# Altium PCB c_20.PcbDoc
Units mil, origin at the board's own origin, x right, y up, seen from the top; angles counter-clockwise.
Board outline 4910 x 2755 mil, 2 copper layers (Top Layer, Bottom Layer); 61 components, 59 nets, 218 pads, 14 vias.
Unrouted connection lines stored in the file: 1.
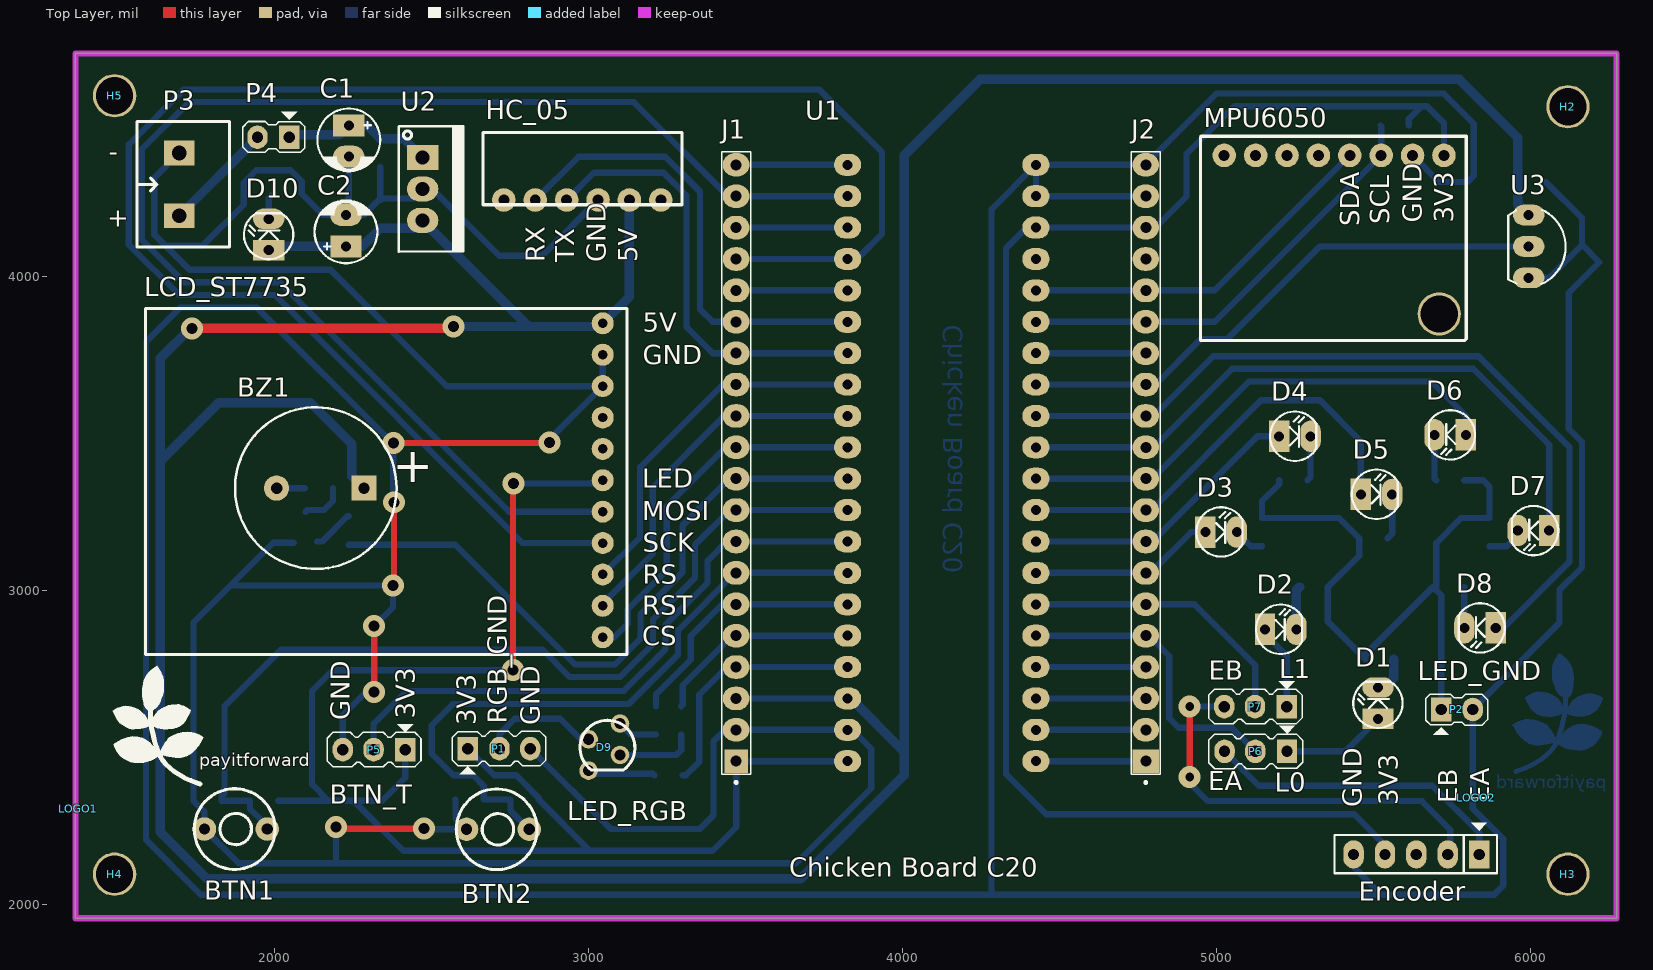
[diagram p0: Top Layer view]
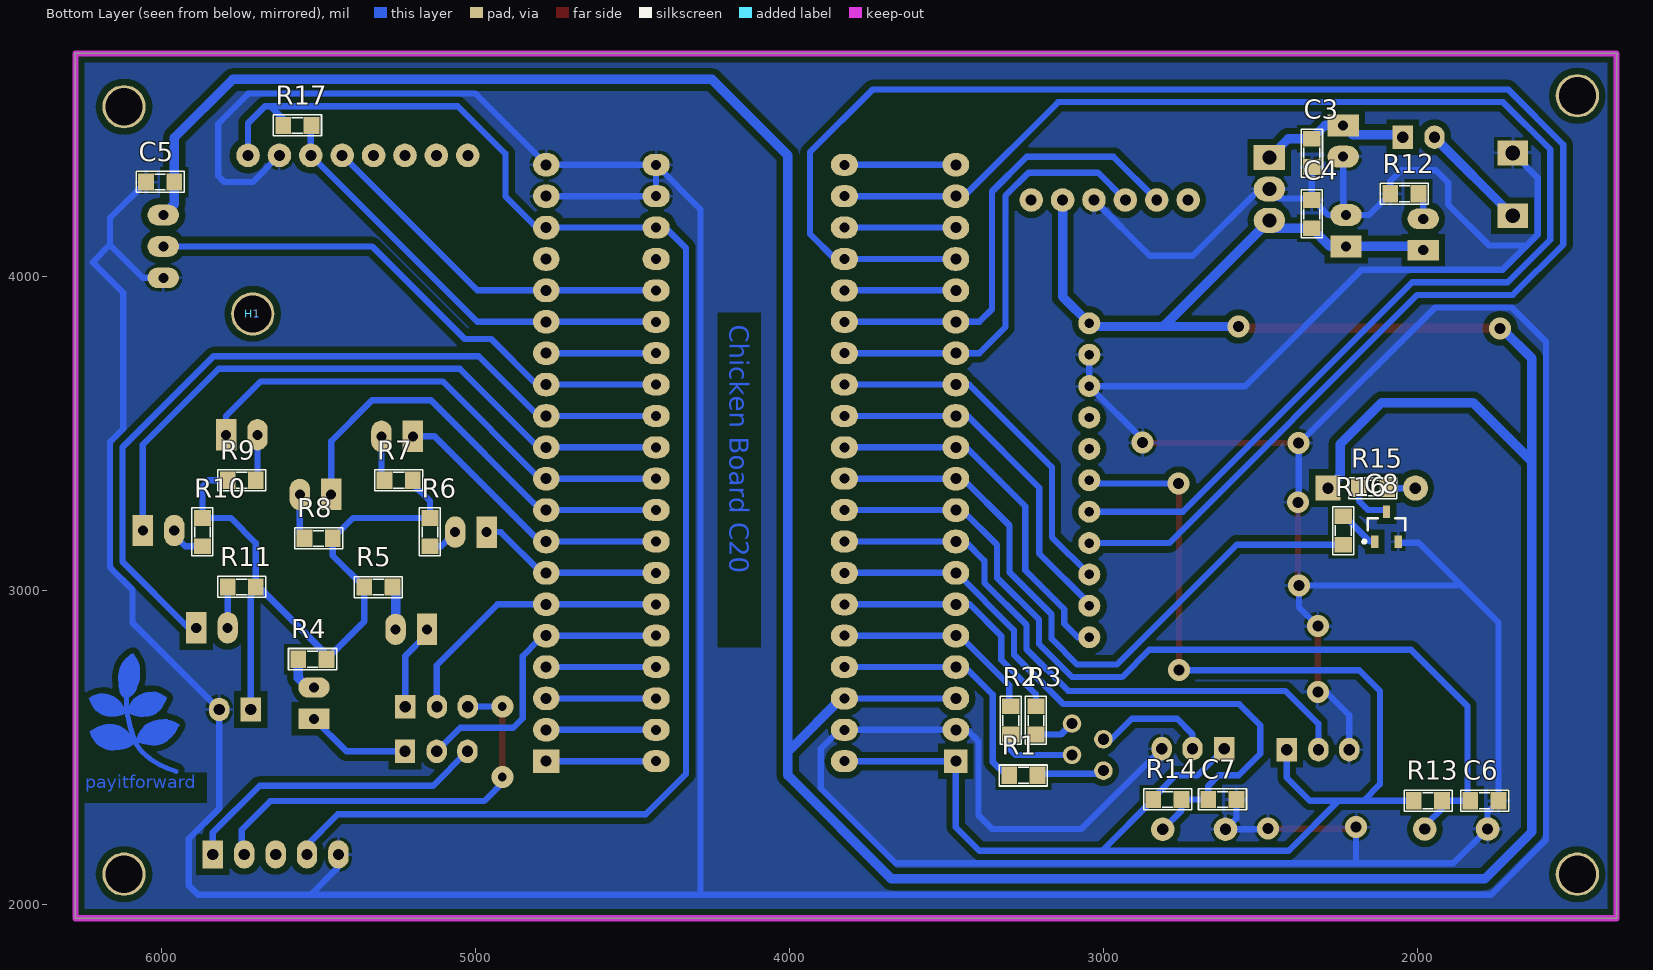
[diagram p1: Bottom Layer view, seen from below]
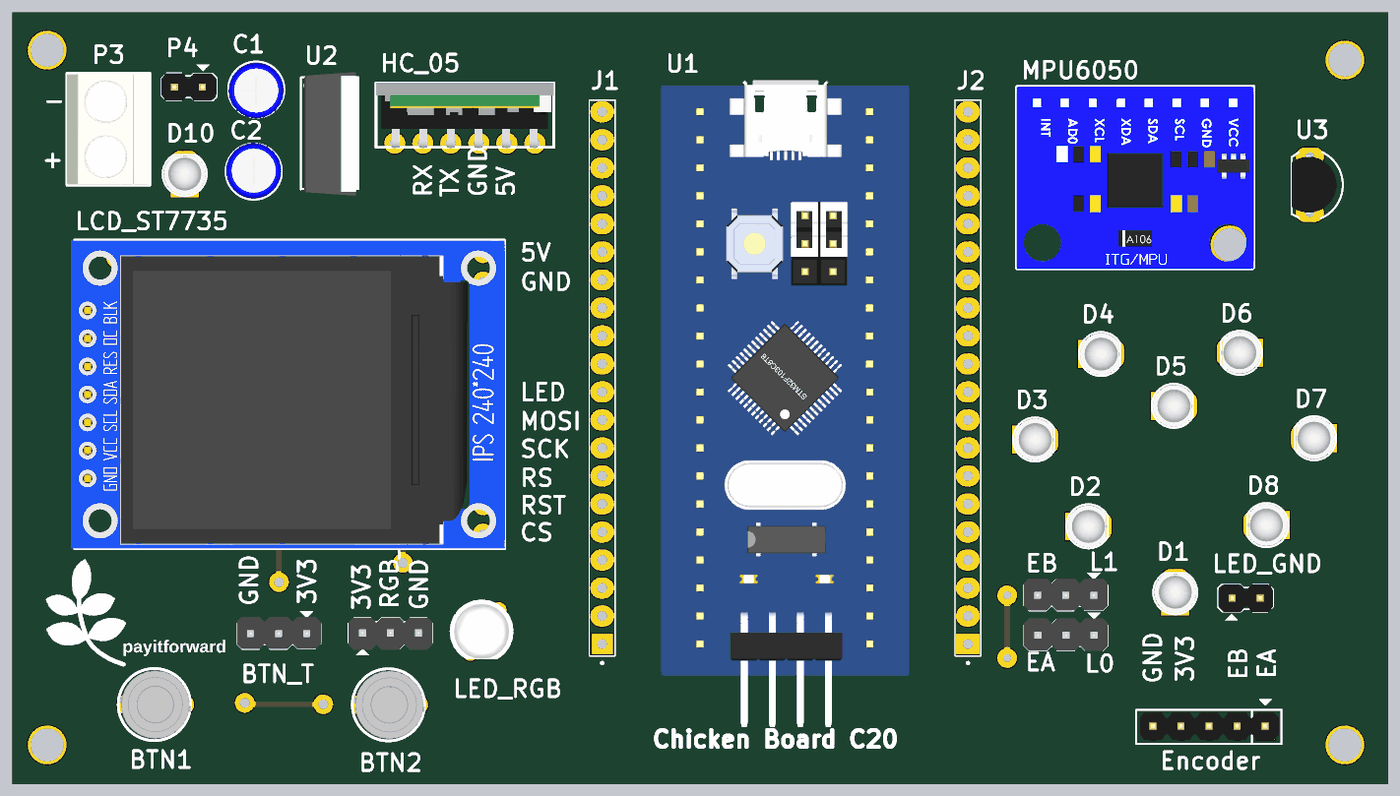
[diagram p2: 3D render of the assembled board from above, using the file's embedded part models]
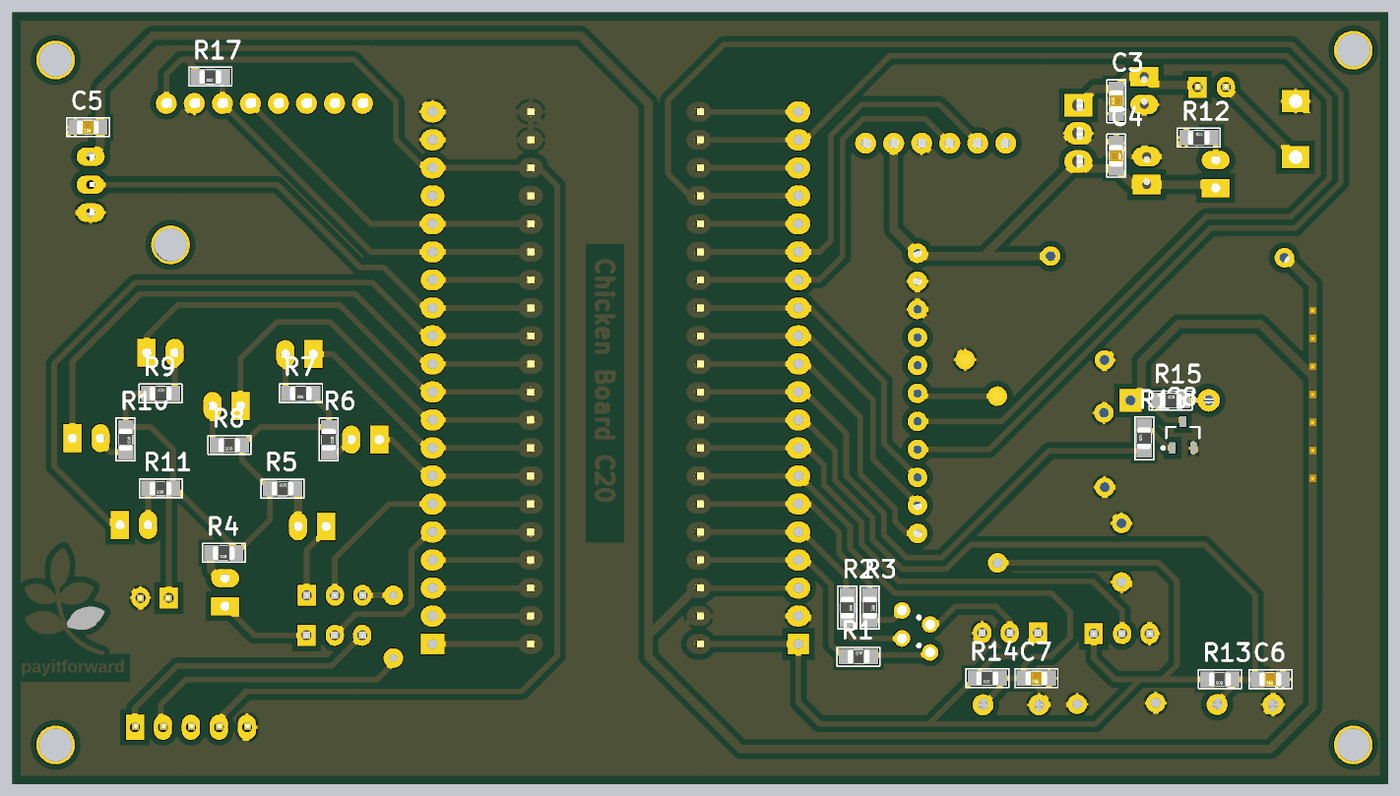
[diagram p3: 3D render of the assembled board from below, using the file's embedded part models]

## Layer stack, top to bottom
Top Solder: solder mask 0.4, Solder Resist, Dk 3.5
Top Layer: signal copper 1.4
Dielectric 1: dielectric 12.6, FR-4, Dk 4.8
Bottom Layer: signal copper 1.4
Bottom Solder: solder mask 0.4, Solder Resist, Dk 3.5

## Board outline
1365,1955 6275,1955 6275,4710 1365,4710

## Design rules (kind name [scope] priority, off if disabled: settings)
Clearance [All] p1: gap=20 ignorepadtopadclearanceinfootprint=FALSE
Height [All] p1: minheight=0 maxheight=3000 prefheight=500
PolygonConnect [All] p1: connectstyle=Relief reliefconductorwidth=10 reliefentries=4 polygonreliefangle="90 Angle" airgapwidth=10
RoutingVias [All] p1: holewidth=28 width=50 viastyle="Through Hole" minholewidth=28 minwidth=50 maxholewidth=28 maxwidth=50
SilkToSilkClearance [All] p1 off: silktosilkclearance=10
SolderMaskExpansion [All] p1: expansion=4
Width [All] p1: maxlimit=50 minlimit=10 preferedwidth=20 minimp=50.000000 maximp=50.000000 favimp=50.000000
28 further rules are at their usual default settings.

## Components (designator, comment, footprint, x,y, rotation, side; value= is the part's Value field where it differs from the comment)
BTN1 "Button" Button 1876,2244 r180 top
BTN2 "Button" Button 2711,2243 r180 top
BZ1 "Buzzer" BUZZER 2286,3325 r180 top
C1 "Cap Pol" CP1/2 2236,4481 r270 top value=100uF
C2 "Cap Pol" CP1/2 2227,4095 r90 top value=100uF
C3 "Cap Non-Pol SMD" CAP-SM-0805 2336,4348 r90 bottom value=100nF
C4 "Cap Non-Pol SMD" CAP-SM-0805 2336,4243 r270 bottom value=100nF
C5 "Cap Non-Pol SMD" CAP-SM-0805 5960,4300 r0 bottom value=100nF
C6 "Cap Non-Pol SMD" CAP-SM-0805 1741,2329 r0 bottom value=100nF
C7 "Cap Non-Pol SMD" CAP-SM-0805 2576,2333 r0 bottom value=100nF
C8 "C1815" C1815_SMD 2098,3202 r90 bottom
D1 "LED" LED-3mm 5515,2590 r90 top
D2 "LED" LED-3mm 5155,2875 r0 top
D3 "LED" LED-3mm 4965,3185 r0 top
D4 "LED" LED-3mm 5200,3490 r0 top
D5 "LED" LED-3mm 5460,3305 r0 top
D6 "LED" LED-3mm 5795,3495 r180 top
D7 "LED" LED-3mm 6060,3190 r180 top
D8 "LED" LED-3mm 5890,2880 r180 top
D9 "LED RGB" "LED RGB" 3000,2425 r90 top
D10 "LED" LED-3mm 1981,4083 r90 top
Encoder "Encoder" JP5 5837,2158 r180 top (schematic designator Encoder1)
H1 "Hole" "LO KHOAN 3MM" 5710,3880 r180 bottom
H2 "Hole" "LO KHOAN 3MM" 6120,4540 r0 top
H3 "Hole" "LO KHOAN 3MM" 6120,2095 r0 top
H4 "Hole" "LO KHOAN 3MM" 1490,2095 r0 top
H5 "Hole" "LO KHOAN 3MM" 1490,4575 r0 top
HC_05 "HC_05" HC_05 2730,4243 r0 top
J1 "7-146293-0" *TE_7-146293-0#1 3470,2455 r90 top
J2 "7-146293-0" *TE_7-146293-0#2 4775,2455 r90 top
LCD_ST7735 "LCD_ST7735" LCD_ST7735 3045,3850 r270 top
LOGO1 "LOGO PIF" "PIF LOGO TOP OVERLAY" 1374,2304 r0 top
LOGO2 "LOGO PIF" "PIF LOGO BOTTOM LAYER" 5828,2339 r0 top
MPU6050 "GY521_MPU6050" GY521_MPU6050 5725,4385 r180 top
P1 "Header 3" JP3 2715,2495 r0 top
P2 "LED Jumper" JP2 5716,2619.79 r0 top
P3 "Domino 2" "DOMINO 2- 5mm" 1696,4293 r90 top
P4 "Header 2" JP2 2046,4443 r180 top
P5 "Header 3" JP3 2316,2492 r180 top
P6 "J1" JP3 5125,2486.4 r180 top
P7 "J2" JP3 5124,2629 r180 top
R1 "Resistor 1/4W" RES-SM-0805 3300,2410 r180 bottom value=100
R2 "Resistor 1/4W" RES-SM-0805 3295,2630 r270 bottom value=100
R3 "Resistor 1/4W" RES-SM-0805 3215,2630 r270 bottom value=100
R4 "Resistor 1/4W" RES-SM-0805 5475,2780 r0 bottom value=100
R5 "Resistor 1/4W" RES-SM-0805 5355,3010 r180 bottom value=100
R6 "Resistor 1/4W" RES-SM-0805 5145,3230 r270 bottom value=100
R7 "Resistor 1/4W" RES-SM-0805 5200,3350 r0 bottom value=100
R8 "Resistor 1/4W" RES-SM-0805 5455,3165 r0 bottom value=100
R9 "Resistor 1/4W" RES-SM-0805 5790,3350 r180 bottom value=100
R10 "Resistor 1/4W" RES-SM-0805 5870,3230 r270 bottom value=100
R11 "Resistor 1/4W" RES-SM-0805 5700,3010 r0 bottom value=100
R12 "Resistor 1/4W" RES-SM-0805 2086,4263 r180 bottom value=330
R13 "Resistor 1/4W" RES-SM-0805 1921,2329 r0 bottom value=10K
R14 "Resistor 1/4W" RES-SM-0805 2751,2333 r0 bottom value=10K
R15 "Resistor 1/4W" RES-SM-0805 2186,3325 r180 bottom value=100
R16 "Resistor 1/4W" RES-SM-0805 2236,3145 r90 bottom value=1K
R17 "Resistor 1/4W" RES-SM-0805 5523,4480 r0 bottom value=4.7K
U1 "STM32F103 BLUEPILL" "STM32F103 Bluepill" 4425,4355 r180 top
U2 "LM7805" QTO-220 2471,4378 r270 top
U3 "LM35" QTO-92 5995,4095 r270 top

## Footprints (in the part's own frame and the unit in brackets; to place one, negate y for a bottom-side part, rotate by r counter-clockwise, add the part's x,y. Pads: shape width x height; smd on the part's side, far side on the other; paste and mask are expansions set on the pad)
*TE_7-146293-0#1 [mil]
  rect 75x75 hole 35: 1(0,0)
  oval 75x85 hole 35: 2(100,0) 3(200,0) 4(300,0) 5(400,0) 6(500,0) 7(600,0) 8(700,0) 9(800,0) 10(900,0) 11(1000,0) 12(1100,0) 13(1200,0) 14(1300,0) 15(1400,0) 16(1500,0) 17(1600,0) 18(1700,0) 19(1800,0) 20(1900,0)
  silkscreen extent -72,-46 1942,46
*TE_7-146293-0#2 [mil]
  rect 75x85 hole 35: 1(0,0)
  oval 75x85 hole 35: 2(100,0) 3(200,0) 4(300,0) 5(400,0) 6(500,0) 7(600,0) 8(700,0) 9(800,0) 10(900,0) 11(1000,0) 12(1100,0) 13(1200,0) 14(1300,0) 15(1400,0) 16(1500,0) 17(1600,0) 18(1700,0) 19(1800,0) 20(1900,0)
  silkscreen extent -72,-46 1942,46
Button [mil] "Button"
  round 75 hole 36: 1(-100,5) 2(100,5)
  silkscreen extent -125,-123 132,133, body extent -127,-117 127,127, height 169
BUZZER [mil] "Buzzer"
  rect 80x80 hole 36: 1(1.27,0)
  round 80 hole 36: 2(280,0)
  silkscreen extent -102,-257 412,257
C1815_SMD [mm] "SOT23, 3-Leads, Body 2.90x2.45mm, Pitch 0.95mm, IPC Medium Density"
  rect 1x0.6 smd: 1(-1.2,0.95) 2(-1.2,-0.95) 3(1.2,0)
  silkscreen extent -1.32,-1.5 0.7,1.93, body extent -0.7,-1.5 0.7,1.5, height 1.1
CAP-SM-0805 [mil]
  rect 50x55 smd: 1(0,0) 2(90,0)
  silkscreen extent -32,-34 121,33, body extent 6,-25 84,25, height 31
CP1/2 [mil] "Tu hoa < 22uF/16>50V"
  rect 70x100 hole 32: 1(0,0)
  oval 70x100 hole 32: 2(100,0)
  silkscreen extent -53,-100 146,100, body extent -49,-99 149,99, height 287
"DOMINO 2- 5mm" [mm]
  rect 2x2.5 hole 1.2: 1(-2.54,0) 2(2.54,0)
  silkscreen extent -5.08,-4.08 5.08,3.43, body extent -5,-4.07 5,3.43, height 10
GY521_MPU6050 [mil]
  round 75 hole 35: 0(0,0) 1(100,0) 2(200,0) 3(300,0) 4(400,0) 5(500,0) 6(600,0) 7(700,0)
  body extent -70,-60 776,590, height 334
HC_05 [mil]
  round 75 hole 35: 0(0,0) 1(100,0) 2(200,0) 3(300,0) 4(400,0) 5(500,0)
  body extent -67,-15 567,217, height 1600
JP2 [mil]
  rect 65x75 hole 36: 1(0,0)
  oval 65x75 hole 36: 2(101,0)
  silkscreen extent -49,-81 148,48, body extent -48,-50 148,48, height 323
JP3 [mil] "Jumper 3"
  rect 65x75 hole 36: 1(-100,0)
  oval 65x75 hole 36: 2(1,0) 3(99,0)
  silkscreen extent -150,-81 149,55, body extent -150,-60 150,55, height 355
JP5 [mil] "JP5"
  rect 65x90 hole 36: 1(0,0)
  oval 65x90 hole 36: 2(100,0) 3(200,0) 4(300,0) 5(400,0)
  silkscreen extent -57,-101 461,60, body extent -48,-53 448,45, height 323
LCD_ST7735 [mil]
  round 70 hole 30: 1(0,0) 2(100,0) 3(200,0) 4(300,0) 5(400,0) 6(500,0) 7(600,0) 8(700,0) 9(800,0) 10(900,0) 11(1000,0)
  body extent -46,-1471 1054,79, height 370
"LED RGB" [mm]
  round 1.5 hole 0.9: 1(0,0) 2(1.27,-2.54) 3(3.81,-2.54) 4(2.54,0)
  silkscreen extent 0.04,-3.74 4.08,0.69, body extent -0.59,-3.92 4.81,1.88, height 8.7
LED-3mm [mil] "LED 2 PIN, 3ly Only colour"
  rect 65x100 hole 32: 1(0,0)
  oval 65x100 hole 32: 2(100,0)
  silkscreen extent -29,-78 118,79, body extent -25,-75 113,75, height 217
"LO KHOAN 3MM" [mil]
  round 138 hole 118.1: 1(0,0)
"PIF LOGO BOTTOM LAYER" [mil]
  Bottom Layer region: 218.01,336.37 218.07,336.34 218.14,336.35 227.3,333.85 227.31,333.84 227.33,333.84 233.99,331.74 234.04,331.71 234.1,331.7 241.2,327.97 241.27,327.89 247.43,324.63 247.45,324.61 247.48,324.6 259.58,316.67 259.65,316.58 259.74,316.53 271.41,301.53 271.42,301.49 271.45,301.47 279.35,288.57 279.35,288.56 279.35,288.56 281.85,284.4 281.88,284.18 281.93,283.97 279.87,270.2 279.83,270.15 279.84,270.08 279.74,269.98 279.69,269.85 279.64,269.83 279.61,269.78 279.55,269.77 279.51,269.72 262.84,261.82 262.77,261.82 262.71,261.77 243.94,257.61 243.88,257.62 243.82,257.59 229.25,257.16 229.2,257.18 229.14,257.17 211.64,259.67 211.6,259.69 211.55,259.69 200.29,263.02 200.26,263.04 200.22,263.04 193.15,265.98 193.1,266.03 193.02,266.05 188.02,269.79 188.01,269.79 188,269.8 180.07,276.06 180.05,276.11 180,276.13 173.77,282.8 173.74,282.87 173.68,282.91 163.25,300.81 163.24,300.84 163.22,300.86 158.22,311.29 158.22,311.31 158.21,311.32 155.31,318.39 155.31,318.58 155.27,318.76 155.31,318.82 155.31,318.88 155.44,319.01 155.55,319.17 166.38,326.27 166.42,326.28 166.44,326.3 178.51,332.54 178.56,332.54 178.6,332.57 186.1,335.07 186.11,335.07 186.12,335.08 191.96,336.75 192.01,336.74 192.06,336.77 199.56,337.6 199.62,337.59 199.68,337.61
  Bottom Layer region: 340.34,234.82 340.4,234.84 348.33,234 348.38,233.98 348.44,233.98 355.93,231.92 370.92,228.15 370.96,228.13 371.01,228.13 376.01,226.06 376.03,226.04 376.06,226.03 387.3,220.2 387.32,220.17 387.36,220.17 397.36,213.5 397.37,213.47 397.4,213.47 401.57,210.13 401.64,210 401.75,209.89 401.75,209.79 401.8,209.7 401.76,209.56 401.76,209.4 398.86,201.9 398.84,201.87 398.83,201.84 394.23,193.07 394.23,193.07 394.23,193.06 390.9,186.83 390.87,186.81 390.86,186.77 382.12,174.27 382.08,174.23 382.05,174.18 376.22,168.35 376.16,168.32 376.13,168.27 369.46,163.67 369.42,163.66 369.39,163.63 362.72,160.29 362.71,160.29 362.71,160.29 353.11,155.72 353.09,155.72 353.09,155.71 347.25,153.21 347.17,153.21 347.11,153.17 337.11,151.5 337.06,151.51 337.02,151.49 322.02,151.06 321.99,151.07 321.97,151.06 306.13,151.89 306.09,151.92 306.04,151.91 293.97,154.41 293.95,154.42 293.92,154.42 283.92,157.35 283.88,157.38 283.83,157.38 273.83,161.95 273.81,161.98 273.77,161.99 266.27,166.59 266.24,166.62 266.21,166.63 260.78,170.79 260.76,170.83 260.71,170.85 260.68,170.94 260.6,171.01 260.59,171.12 260.53,171.22 260.54,171.26 260.53,171.3 260.56,171.39 260.56,171.49 268.49,196.49 268.63,196.66 268.74,196.83 271.17,198.45 280.28,209.21 284.44,214.21 284.49,214.24 284.51,214.28 290.75,219.68 290.79,219.7 290.82,219.74 301.26,226.41 301.3,226.41 301.32,226.44 310.06,230.61 310.14,230.62 310.21,230.66 325.21,233.6 325.25,233.59 325.28,233.6 340.28,234.84
  Bottom Layer region: 362.66,332.28 362.74,332.3 372.74,330.63 372.76,330.62 372.78,330.62 381.94,328.52 381.99,328.49 382.06,328.49 388.72,325.59 388.72,325.59 388.72,325.59 395.39,322.65 395.44,322.61 395.5,322.59 403.83,316.76 403.94,316.59 404.07,316.44 404.07,316.39 404.1,316.34 404.05,316.15 404.04,315.95 402.38,312.64 399.89,306.43 399.88,306.41 399.87,306.38 396.14,298.88 396.14,298.88 396.14,298.88 391.54,289.71 391.49,289.67 391.47,289.6 386.47,283.33 386.46,283.33 386.45,283.32 381.45,277.48 381.39,277.45 381.35,277.38 373.45,271.55 373.43,271.55 373.41,271.53 361.75,264.03 361.68,264.02 361.62,263.97 351.62,260.23 351.6,260.23 351.59,260.22 346.15,258.55 346.08,258.56 346.02,258.53 335.62,257.7 335.56,257.71 335.5,257.7 315.9,259.76 315.89,259.77 315.87,259.77 307.14,261.03 307.11,261.05 307.07,261.05 300.8,262.71 300.79,262.73 300.76,262.73 295.76,264.39 295.71,264.44 295.64,264.45 288.57,268.62 288.52,268.68 288.45,268.71 288.43,268.76 288.38,268.79 288.35,268.91 288.28,269.01 288.29,269.09 288.26,269.17 288.28,269.22 288.27,269.27 290.33,282.17 290.39,282.26 290.4,282.36 297.5,296.13 297.53,296.15 297.53,296.19 302.53,303.69 302.59,303.73 302.61,303.79 309.61,310.79 309.65,310.8 309.66,310.83 318.5,318 318.52,318.01 318.54,318.03 319.53,318.7 319.54,318.7 319.55,318.71 321.58,319.95 321.6,319.95 321.61,319.97 323.7,321.11 323.71,321.11 323.72,321.12 325.86,322.17 325.88,322.17 325.89,322.18 326.97,322.65 334.03,325.98 334.04,325.98 334.06,325.99 343.22,329.76 343.28,329.76 343.34,329.79 351.27,331.46 351.31,331.45 351.35,331.47 362.59,332.31
  Bottom Layer region: 166.34,249.76 166.38,249.77 183.45,248.51 183.51,248.48 183.57,248.48 196.91,244.75 196.94,244.72 196.98,244.72 214.91,237.22 214.94,237.19 214.98,237.19 223.72,232.19 223.76,232.13 223.83,232.1 228.83,227.5 228.86,227.44 228.92,227.41 233.09,221.57 233.09,221.56 233.1,221.56 238.1,214.06 238.1,214.05 238.1,214.05 246.44,201.15 246.44,201.11 246.47,201.09 248.97,196.09 251.91,190.25 251.92,190.1 251.97,189.97 251.97,188.3 251.93,188.19 251.93,188.06 247.03,175.73 246.99,175.69 246.98,175.63 246.92,175.59 246.89,175.51 246.77,175.47 246.69,175.38 246.63,175.38 246.58,175.34 239,173.52 233.59,171.85 233.56,171.86 233.53,171.84 225.63,170.17 225.63,170.17 225.62,170.17 214.79,168.07 214.78,168.07 214.78,168.07 205.18,166.4 205.12,166.41 205.07,166.39 195.9,166.39 195.87,166.4 195.84,166.4 186.68,167.23 186.63,167.25 186.59,167.24 179.52,168.91 179.5,168.92 179.49,168.92 169.49,171.85 169.43,171.9 169.36,171.91 158.09,178.14 158.08,178.16 158.05,178.16 152.22,181.93 152.18,181.99 152.11,182.02 140.44,194.09 140.44,194.09 140.43,194.09 133.37,201.59 133.36,201.61 133.34,201.62 128.74,207.05 128.72,207.12 128.67,207.16 125.34,213.39 118.68,225.05 118.68,225.06 118.67,225.07 115.33,231.33 115.31,231.55 115.27,231.75 115.29,231.78 115.29,231.82 115.42,231.99 115.54,232.16 127.21,240.06 127.27,240.08 127.31,240.12 134.81,243.45 134.85,243.45 134.88,243.48 144.48,246.41 144.49,246.41 144.49,246.42 153.22,248.92 153.29,248.91 153.36,248.94 166.29,249.77
  Bottom Layer region: 262.8,459.42 263.04,459.41 270.11,456.08 270.14,456.05 270.18,456.04 276.01,452.27 276.04,452.23 276.09,452.21 284.03,445.14 284.03,445.14 284.04,445.13 290.27,439.3 290.29,439.25 290.35,439.22 296.61,430.88 296.61,430.88 296.62,430.88 299.95,426.28 299.97,426.21 300.02,426.16 302.92,419.49 302.92,419.48 302.92,419.48 305.02,414.48 305.02,414.42 305.06,414.37 307.56,403.14 307.56,403.14 307.56,403.13 309.23,395.2 309.22,395.18 309.23,395.16 310.47,386.42 310.46,386.38 310.47,386.33 310.47,377.17 310.47,377.15 310.47,377.13 309.64,364.19 309.64,364.19 309.64,364.18 308.81,353.35 308.79,353.32 308.8,353.29 307.96,348.29 307.96,348.29 307.96,348.28 306.3,339.55 306.28,339.52 306.28,339.48 305.25,336.05 305.22,336.02 305.22,335.98 302.42,329.58 302.37,329.53 302.36,329.47 298.76,324.27 298.73,324.25 298.72,324.21 293.12,317.81 293.05,317.78 293.02,317.72 291.68,316.72 291.74,313.41 291.7,313.32 291.72,313.23 291.62,313.1 291.56,312.96 291.47,312.92 291.41,312.84 291.26,312.82 291.11,312.76 291.02,312.8 290.93,312.78 280.49,315.72 280.42,315.77 280.33,315.79 274.93,319.12 274.91,319.15 274.87,319.16 265.27,326.66 265.23,326.73 265.16,326.78 256.83,337.61 256.81,337.66 256.77,337.69 253.04,344.35 253.04,344.4 253,344.44 249.23,354.44 246.34,361.94 246.34,361.98 246.31,362.01 244.21,370.34 244.21,370.34 244.21,370.35 242.15,378.68 242.15,378.74 242.13,378.8 241.69,386.3 241.7,386.32 241.69,386.33 241.69,402.17 241.7,402.19 241.7,402.22 242.53,411.79 242.53,411.8 242.53,411.8 243.8,423.07 243.84,423.14 243.83,423.22 246.73,431.12 246.74,431.13 246.74,431.13 249.67,438.63 249.71,438.68 249.72,438.73 255.55,448.33 255.57,448.34 255.57,448.36 260.11,454.99 262.19,459.12 262.37,459.28 262.55,459.44 262.56,459.44 262.57,459.44
  Bottom Layer lines w15.75: 126.17,83.57 155.2,93.9 177.5,104.07 210,124.07 221.67,133.63 237.07,148.23 244.17,157.4 252.07,169.07 259.17,186.13 271.67,221.57 272.9,226.97 276.67,243.63 280.4,260.73 282.67,270.73 283.5,281.17 284.33,291.57 284.77,300.73 286,334.83
"PIF LOGO TOP OVERLAY" [mil]
  silkscreen extent 110,79 399,454
QTO-92 [mil] "TO-92"
  oval 66x100 hole 32: 1(-100,0) 2(0,0) 3(100,0)
  silkscreen extent -117,-65 120,118, body extent -109,-66 109,95, height 245
QTO-220 [mil] "TO-220 - 1-2-3"
  rect 80x100 hole 45: 1(0,0)
  oval 80x100 hole 45: 2(100,0) 3(200,0)
  silkscreen extent -100,-76 300,130, body extent -119,-64 322,121, height 755
RES-SM-0805 [mil]
  rect 50x55 smd: 1(0,0) 2(90,0)
  silkscreen extent -32,-34 121,33, body extent 6,-25 84,25, height 31
"STM32F103 Bluepill" [mil]
  oval 86.61x70 hole 32: 1(0,1900) 2(0,1800) 3(0,1700) 4(0,1600) 5(0,1500) 6(0,1400) 7(0,1300) 8(0,1200) 9(0,1100) 10(0,1000) 11(0,900) 12(0,800) 13(0,700) 14(0,600) 15(0,500) 16(0,400) 17(0,300) 18(0,200) 19(0,100) 20(0,0) 21(600,0) 22(600,100) 23(600,200) 24(600,300) 25(600,400) 26(600,500) 27(600,600) 28(600,700) 29(600,800) 30(600,900) 31(600,1000) 32(600,1100) 33(600,1200) 34(600,1300) 35(600,1400) 36(600,1500) 37(600,1600) 38(600,1700) 39(600,1800) 40(600,1900)
  body extent -141,-113 745,2196, height 571

## Part data
C1 C2: "Polarized Capacitor (Radial)"
C3 C4 C5 C6 C7: "Capacitor"
Encoder: library part "Header 5", "Header, 5-Pin", LatestRevisionDate=17-Jul-2002, LatestRevisionNote="Re-released for DXP Platform.", Publisher="Altium Limited"
H1 H2 H3 H4 H5: "Hole 3mm"
P1 P5: "Header, 3-Pin", LatestRevisionDate=17-Jul-2002, LatestRevisionNote="Re-released for DXP Platform.", Publisher="Altium Limited"
P2: library part "Header 2", "Header, 2-Pin", LatestRevisionDate=17-Jul-2002, LatestRevisionNote="Re-released for DXP Platform.", Publisher="Altium Limited"
P3: "Domino, 2-Pin", LatestRevisionDate=17-Jul-2002, LatestRevisionNote="Re-released for DXP Platform.", Publisher="Altium Limited"
P4: "Header, 2-Pin", LatestRevisionDate=17-Jul-2002, LatestRevisionNote="Re-released for DXP Platform.", Publisher="Altium Limited"
P6 P7: library part "Header 3", "Header, 3-Pin", LatestRevisionDate=17-Jul-2002, LatestRevisionNote="Re-released for DXP Platform.", Publisher="Altium Limited"
R1 R2 R3 R4 R5 R6 R7 R8 R9 R10 R11 R12 R13 R14 R15 R16 R17: library part RES
U2: "Positive Voltage Regulator"
U3: "Teminal"

## Via types
v1: diameter 70, hole 35, Top Layer to Bottom Layer, 12 vias
v2: diameter 70, hole 28, Top Layer to Bottom Layer, 2 vias

## Nets (pads, with @x,y where several pads share a name; then routed paths per layer and width w, separated by ;. In a path a pad name is that pad's centre, name@x,y a point inside that pad or via, vN(x,y) a via of type N, cw(c..) or ccw(c..) an arc to the next point about the centre after c; other vN are vias at no path point)
3V3: Encoder.4 J1.1 J2.18 LCD_ST7735.6 MPU6050.0 P1.1 P5.1 R13.2 R14.2 R17.2 U1.18 U1.40 | length 9724.9
  Top Layer w20: v1(2759,2745) 2759,3339 v1(2760,3340)
  Bottom Layer w20: R13.2 2171,2329 ; P5.1 2416,2403 2342,2329 2251,2329 ; P1.1 2700,2410 2768.93,2410 2841,2337.93 R14.2 3001.97,2172.03 ; v1(2759,2745) 2185,2745 2119,2679 2119,2381 2171,2329 ; v1(2760,3340) 3035,3340 LCD_ST7735.6 ; U1.40 J1.1 3470,2245 3395,2170 2410,2170 2251,2329 ; Encoder.4 5537,2188 5439,2286 4458,2286 4330,2414 4330,4090 4395,4155 U1.18 J2.18 4805,4155 4905,4255 4905,4390 5057,4542 5654,4542 ; R17.2 5613,4501 5654,4542 ; MPU6050.0 5725,4488 5671,4542 5654,4542 ; 2171,2329 2251,2329
5V: BZ1.1 C2.1 C4.2 C5.1 D10.1 HC_05.4 J1.3 LCD_ST7735.1 U1.38 U2.3 U3.1 | length 12834
  Top Layer w30: v1(1736,3834) 1732,3834 1731,3835 2565,3835 v1(2570,3840)
  Bottom Layer w20: J1.3 U1.38
  Bottom Layer w30: v1(1736,3834) 1731,3834 1635,3738 1635,3410 ; D10.1 1993,4095 C2.1 2278,4095 C4.2 2446,4153 U2.3 2804,3845 ; BZ1.1 2246,3363.73 2246,3464.95 2113.45,3597.5 1822.5,3597.5 1635,3410 ; v1(2570,3840) 3035,3840 LCD_ST7735.1 3130,3935 HC_05.4 ; U1.38 3835.61,2655 3997.8,2492.8 ; U3.1 5960,4230 C5.1 5960,4441 5774,4627 4247,4627 4005,4385 4005,2605.61 4005,2410 3675,2080 1785,2080 1635,2230 1635,3410
BTN_1: BTN1.1 C6.2 J1.9 R13.1 U1.32 | length 2935.9
  Bottom Layer w20: BTN1.1 1976,2259 1966,2259 1921,2304 R13.1 C6.2 1831,2344 1840.15,2353.15 1840.15,2630.15 2020,2810 2853.43,2810 2940.43,2723 3099.86,2723 3205,2828.14 3205,2905.86 3339,3039.86 3339,3144 3450,3255 J1.9 U1.32
BTN_2: BTN2.1 C7.2 J1.7 R14.1 U1.34 | length 2119.3
  Bottom Layer w20: BTN2.1 2751,2298 R14.1 C7.2 2666,2376 2632,2410 2568.43,2410 2500,2478.43 2500,2570 2567,2637 3127,2637 3285,2795 3285,2872.73 3467.27,3055 J1.7 U1.34
BTN_Touch: J1.8 P5.2 U1.33 | length 1917.6
  Bottom Layer w20: P5.2@2315,2494 2315,2574 2420,2679 3112.43,2679 3245,2811.57 3245,2889.29 3379,3023.29 3379,3094 3440,3155 J1.8 U1.33
Buzzer: J1.10 R16.1 U1.31 | length 2125.6
  Bottom Layer w20: R16.1 2575,3145 2957,2763 3083.29,2763 3165,2844.71 3165,2922.43 3299,3056.43 3299,3206 3448,3355 J1.10 U1.31
Enc_A: Encoder.1 P6.3 | length 988
  Bottom Layer w20: P6.3 5135.4,2377 5687.92,2377 5837,2227.92 Encoder.1
Enc_B: Encoder.2 P7.3 | length 1397.5
  Top Layer w20: v2(4915,2629) v2@4915,2414 ; v2@4924,2405 v2@4915,2414 ; v2(4915,2405) v2@4915,2414 ; v2(4915,2405) 4908,2398 4901,2405 v2(4915,2405)
  Bottom Layer w20: v2(4915,2405) 4906,2405 4901,2400 4973,2328 5654,2328 5745,2237 5745,2166 Encoder.2 ; v2(4915,2629) P7.3 P7.3@5030,2634
GND: BTN1.2 BTN2.2 C1.2 C2.2 C3.1 C4.1 C5.2 C6.1 C7.1 C8.2 Encoder.5 HC_05.3 J1.2 J2.19 J2.20 LCD_ST7735.2 LCD_ST7735.3 MPU6050.1 P1.3 P2.2 P3.2 P5.3 R12.1 U1.19 U1.20 U1.39 U2.2 U3.3 | length 26806.1
  Top Layer w20: v1(2195,2245) 2200,2240 v1(2475,2240) ; v1(2317,2676) v1(2317,2886) ; v1(2377,3015) 2380,3018 v1(2380,3280) ; v1(2378,3469) 2874,3469 v1(2875,3470)
  Bottom Layer w20: P3.2 1616,4313 1616,4133 1651,4098 ; C8.2@2060.6,3150.63 1995.37,3150.63 1864.74,3020 ; v1(2195,2245) 2195,2135 2190,2130 ; P5.3 2217,2602 2291,2676 v1(2317,2676) ; C1.2 2236,4204 C2.2 ; v1(2317,2886) 2377,2946 v1(2377,3015) 1869.74,3015 1864.74,3020 ; C3.1 C4.1@2336,4248 ; v1(2380,3280) 2378,3282 v1(2378,3469) 2374,3469 1942.5,3900.5 1698.5,3900.5 1590,3792 1590,2205 1765,2030 4283.81,2030 ; v1(2475,2240) 2477,2238 BTN2.2 2576,2273 C7.1 C7.1@2574,2333 ; P1.3 3070,2239 3354,2239 3398,2283 3398,2518 3435,2555 J1.2 U1.39 3840,2555 3900,2495 3900,2368.64 3661.36,2130 2190,2130 ; v1(2875,3470) 2875,3480 LCD_ST7735.3 ; HC_05.3 2852,4065 2715,4065 2502,4278 U2.2 2441,4248 C4.1@2336,4248 ; LCD_ST7735.2 LCD_ST7735.3 ; J2.19 U1.19 U1.20 ; 5205.89,2030 5245.89,2030 ; Encoder.5 5437,2118 5525,2030 ; MPU6050.1 5710,4300 5800,4300 5820,4320 5820,4486 5724,4582 5000,4582 4775,4357 J2.20 U1.20 ; U3.3 6060,3995 6165,4100 ; C5.2 6165,4185 6165,4100 ; 1651,4098 1771,4098 1901,4228 1901,4298 1941,4338 2051,4338 2086,4303 R12.1 2154,4195 C2.2 ; 1651,4098 1728.5,4020.5 2177.64,4020.5 2548.14,3650 LCD_ST7735.3 ; 1864.74,3020 1741,2896.26 C6.1 1776,2294 BTN1.2 1885,2130 2190,2130 ; C2.2 2283.07,4195 2331.07,4243 C4.1 C4.1@2336,4248 ; 4283.81,2030 4292.61,2030 5245.89,2030 ; 4283.81,2030 4283.81,4213.81 U1.20 ; 5245.89,2030 5525,2030 ; 5525,2030 5884.5,2030 5913.5,2059 5913.5,2207.98 5817,2304.48 P2.2 6093,2895.79 6093,3001.43 6165,3073.43 6165,3471.57 6122.5,3514.07 6122.5,3947.5 6220,4045 6165,4100
GY521_SCL: J2.15 MPU6050.2 R17.1 U1.15 | length 1415.4
  Bottom Layer w20: U1.15 J2.15 4995,3855 MPU6050.2 5525,4478 R17.1
GY521_SDA: J2.16 MPU6050.3 U1.16 | length 1178.1
  Bottom Layer w20: U1.16 J2.16 4995,3955 MPU6050.3
HC05_RX: HC_05.2 J1.14 U1.27 | length 1414.3
  Bottom Layer w20: HC_05.2 3017,4330 3238.46,4330 3312,4256.46 3312,3838 3395,3755 J1.14 U1.27
HC05_TX: HC_05.1 J1.15 U1.26 | length 1489.7
  Bottom Layer w20: HC_05.1 2968,4381 3244.03,4381 3355,4270.03 3355,3895 3395,3855 J1.15 U1.26
LCD_CS: J1.11 LCD_ST7735.11 U1.30 | length 1177
  Bottom Layer w20: LCD_ST7735.11 3082,2850 3125,2893 3125,2939 3249,3063 3249,3267 3437,3455 J1.11 U1.30
LCD_MISO: J1.18 U1.23 | length 355
  Bottom Layer w20: J1.18 U1.23
LCD_MOSI: J1.17 LCD_ST7735.8 U1.24 | length 5536.2
  Bottom Layer w20: LCD_ST7735.8 2790,3150 1999.5,3940.5 1695.36,3940.5 1535,4100.86 1535,4419.58 1710.42,4595 3735,4595 3935,4395 3935,4135 3855,4055 U1.24 J1.17
LCD_RS: J1.13 LCD_ST7735.9 U1.28 | length 1161.2
  Bottom Layer w20: LCD_ST7735.9 3164,3169 3164,3392 3427,3655 J1.13 U1.28
LCD_RST: J1.12 LCD_ST7735.10 U1.29 | length 1157.7
  Bottom Layer w20: LCD_ST7735.10 3045,2957.47 3204,3116.47 3204,3326 3433,3555 J1.12 U1.29
LCD_SCK: J1.19 LCD_ST7735.7 U1.22 | length 4551.3
  Bottom Layer w20: LCD_ST7735.7 2746.57,3250 2016.07,3980.5 1711.93,3980.5 1576,4116.43 1576,4404.01 1726.99,4555 3144,4555 3444,4255 J1.19 U1.22
LED_0: D1.1 P6.1 | length 332.9
  Bottom Layer w20: P6.1 5411.4,2486.4 D1.1
LED_0_Enc_A: J2.5 P6.2 U1.5 | length 976.5
  Bottom Layer w20: U1.5 J2.5 4775,2840 4800,2840 4850,2790 4850,2592 4880.5,2561.5 5048.9,2561.5 P6.2
LED_1: D2.1 P7.1 | length 275.4
  Bottom Layer w20: D2.1 5155,2860 5225,2790 5224,2789 P7.1
LED_1_Enc_B: J2.6 P7.2 U1.6 | length 911.8
  Bottom Layer w20: U1.6 J2.6 4930,2955 5124,2761 5124,2630 P7.2
LED_2: D3.1 J2.7 U1.7 | length 593.8
  Bottom Layer w20: U1.7 J2.7 4790,3055 4920,3185 D3.1
LED_3: D4.1 J2.8 U1.8 | length 913.8
  Bottom Layer w20: U1.8 J2.8 4796,3155 5131,3490 D4.1
LED_4: D5.1 J2.9 U1.9 | length 1403.8
  Bottom Layer w20: U1.9 J2.9 4792,3255 5142,3605 5330,3605 5460,3475 D5.1
LED_5: D6.1 J2.10 U1.10 | length 1604
  Bottom Layer w20: U1.10 J2.10 4795,3355 5105,3665 5685,3665 5795,3555 D6.1
LED_6: D7.1 J2.11 U1.11 | length 2112
  Bottom Layer w20: U1.11 J2.11 4800,3455 5050,3705 5818.43,3705 6060,3463.43 D7.1
LED_7: D8.1 J2.12 U1.12 | length 2585.8
  Bottom Layer w20: U1.12 J2.12 4800,3555 4990,3745 5835,3745 6125,3455 6125,3090 5915,2880 D8.1
LED_GND: P2.1 R4.1 R5.1 R6.1 R7.1 R8.1 R9.1 R10.1 R11.1 | length 2217.3
  Bottom Layer w20: R7.1 5200,3338 5145,3283 R6.1 5390,3230 R8.1 5455,3110 R5.1 5355,2900 R4.1 5475,2795 R11.1@5690,3010 ; P2.1 5716,2984 R11.1@5690,3010 ; R9.1 5850,3350 5870,3330 R10.1 5780,3230 5700,3150 R11.1 R11.1@5690,3010
LM35_ADC: J2.13 U1.13 U3.2 | length 1752.3
  Bottom Layer w20: U1.13 J2.13 4805,3655 4950,3800 5035,3800 5330,4095 U3.2
NetBZ1_2: BZ1.2 R15.2 | length 90
  Bottom Layer w20: BZ1.2 R15.2
NetC8_1: C8.1 R16.2 | length 133.8
  Bottom Layer w20: C8.1 2150.76,3154.76 2231,3235 R16.2
NetC8_3: C8.3 R15.1 | length 142.8
  Bottom Layer w20: C8.3 2103.76,3255 2156,3255 2186,3285 R15.1
NetD1_2: D1.2 R4.2 | length 122.4
  Bottom Layer w30: D1.2 5535,2690 5565,2720 R4.2
NetD2_2: D2.2 R5.2 | length 139.1
  Bottom Layer w30: D2.2 5255,3000 R5.2
NetD3_2: D3.2 R6.2 | length 98.6
  Bottom Layer w20: D3.2 5110,3140 R6.2
NetD4_2: D4.2 R7.2 | length 144.1
  Bottom Layer w20: R7.2 5300,3360 D4.2
NetD5_2: D5.2 R8.2 | length 146.2
  Bottom Layer w20: R8.2 5560,3180 D5.2
NetD6_2: D6.2 R9.2 | length 147.1
  Bottom Layer w20: D6.2 5695,3355 R9.2
NetD7_2: D7.2 R10.2 | length 119.5
  Bottom Layer w20: R10.2 5925,3140 5960,3175 D7.2
NetD8_2: D8.2 R11.2 | length 130
  Bottom Layer w20: D8.2 R11.2
NetD9_1: D9.1 R1.2 | length 221.8
  Bottom Layer w20: D9.1 3000,2415.47 3204.53,2415.47 R1.2
NetD9_2: D9.2 R2.2 | length 251.2
  Bottom Layer w20: D9.2 3280,2475 3295,2490 R2.2
NetD9_3: D9.3 R3.2 | length 129.5
  Bottom Layer w20: D9.3 3135,2540 R3.2
NetD10_2: D10.2 R12.2 | length 86.2
  Bottom Layer w20: D10.2 1981,4248 R12.2
PA8: J1.16 U1.25 | length 355
  Bottom Layer w20: J1.16 U1.25
PB1: J2.14 U1.14 | length 350
  Bottom Layer w20: U1.14 J2.14
PB12: J1.20 U1.21 | length 355
  Bottom Layer w20: J1.20 U1.21
PC13: J2.2 U1.2 | length 350
  Bottom Layer w20: U1.2 J2.2
PC14: J2.3 U1.3 | length 350
  Bottom Layer w20: U1.3 J2.3
PC15: J2.4 U1.4 | length 350
  Bottom Layer w20: U1.4 J2.4
RGB_B: J1.6 R3.1 U1.35 | length 811.4
  Bottom Layer w20: R3.1 3215,2668.43 3325,2778.43 3325,2854 3426,2955 J1.6 U1.35
RGB_G: J1.5 R2.1 U1.36 | length 659.4
  Bottom Layer w20: R2.1 3300,2635 3300,2696.86 3458.14,2855 J1.5 U1.36
RGB_GND: D9.4 P1.2 | length 377.2
  Bottom Layer w20: P1.2 2716,2541 2765,2590 2910,2590 2975,2525 D9.4
RGB_R: J1.4 R1.1 U1.37 | length 793.8
  Bottom Layer w20: R1.1 3310,2410 3352.5,2452.5 3352.5,2667.43 3440.07,2755 J1.4 U1.37
V_BAT: P3.1 P4.2 | length 374.1
  Bottom Layer w30: P3.1@1696,4214 P3.1 1945,4442 P4.2
V_IN: C1.1 C3.2 P4.1 U2.1 | length 488.1
  Bottom Layer w30: P4.1 2046,4451 2206,4451 C1.1 2293,4481 C3.2 2411,4438 U2.1
VBAT: J2.1 U1.1 | length 350
  Bottom Layer w20: U1.1 J2.1
pads on no net: Encoder.3 H1.1 H2.1 H3.1 H4.1 H5.1 HC_05.0 HC_05.5 J2.17 LCD_ST7735.4 LCD_ST7735.5 MPU6050.4 MPU6050.5 MPU6050.6 MPU6050.7 U1.17

## Polygon pours and split planes (outlines as drawn)
GND on Bottom Layer "GND" (solid, remove dead copper, pour order 34): 1365,4710 6275,4710 6275,1955 1365,1955

## Keep-outs
Keep-Out Layer:
  lines w20: 1365,1955 1365,4710 6275,4710 6275,4645 6275,1955 6260,1955 1365,1955

## Other copper
Bottom Layer:
  text "Chicken Board C20" at 4190,3845 h60 r90

## Silkscreen, mask and mechanical layers (free items; w line width, h text height)
Top Overlay:
  lines w10: 1588,2795 1588,2834 1588,3897 3122,3897 3122,2795 1588,2795 ; 2663,4228 2663,4458 3298,4458 3298,4228 2663,4228 ; 4949,3795 4949,4444 4951,4446 5795,4446 5796,4447 5796,3801 5790,3795 4949,3795
  text "-" at 1471,4368 h60
  text "GND" at 5655,4170 h60 r90
  text "3V3" at 5755,4170 h60 r90
  text "SCL" at 5550,4165 h60 r90
  text "SDA" at 5455,4160 h60 r90
  text "+" at 1466,4158 h60
  text "RX" at 2860,4045 h60 r90
  text "TX" at 2955,4045 h60 r90
  text "GND" at 3055,4045 h60 r90
  text "5V" at 3155,4045 h60 r90
  text "5V" at 3172,3824 h60
  text "GND" at 3172,3720 h60
  text "LED" at 3171,3326 h60
  text "MOSI" at 3171,3222 h60
  text "SCK" at 3172,3123 h60
  text "RS" at 3172,3020 h60
  text "RST" at 3171,2922 h60
  text "CS" at 3171,2825 h60
  text "L1" at 5201,2720 h60
  text "EB" at 4975,2715 h60
  text "LED_GND" at 5641,2713 h60
  text "3V3" at 2446,2590 h60 r90
  text "GND" at 2239,2585 h60 r90
  text "RGB_GND" at 2740,2575 h60 r90
  text "3V3" at 2640,2570 h60 r90
  text "GND" at 2845,2570 h60 r90
  text "EA" at 4974,2362 h60
  text "L0" at 5186,2357 h60
  text "EA" at 5870,2325 h60 r90
  text "EB" at 5768,2321 h60 r90
  text "BTN_T" at 2175,2320 h60
  text "3V3" at 5578,2314 h60 r90
  text "GND" at 5463,2308 h60 r90
  text "LED_RGB" at 2932,2267 h60
  text "Chicken Board C20" at 3639,2087 h60

## Text inside footprints (layer, text, board x,y; h text height)
BZ1: Top Overlay "+" at 2505,3440 h112.5 r180
LOGO1: Top Overlay "payitforward" at 1759,2425 h70
LOGO2: Bottom Layer "payitforward" at 6243,2354 h70